# Altium PCB Controller.PcbDoc
Units mm, origin at the board's own origin, x right, y up, seen from the top; angles counter-clockwise.
Board outline 150 x 70 mm, 2 copper layers (Top Layer, Bottom Layer), stack 1.54 mm thick; 72 components, 64 nets, 378 pads, 299 vias.
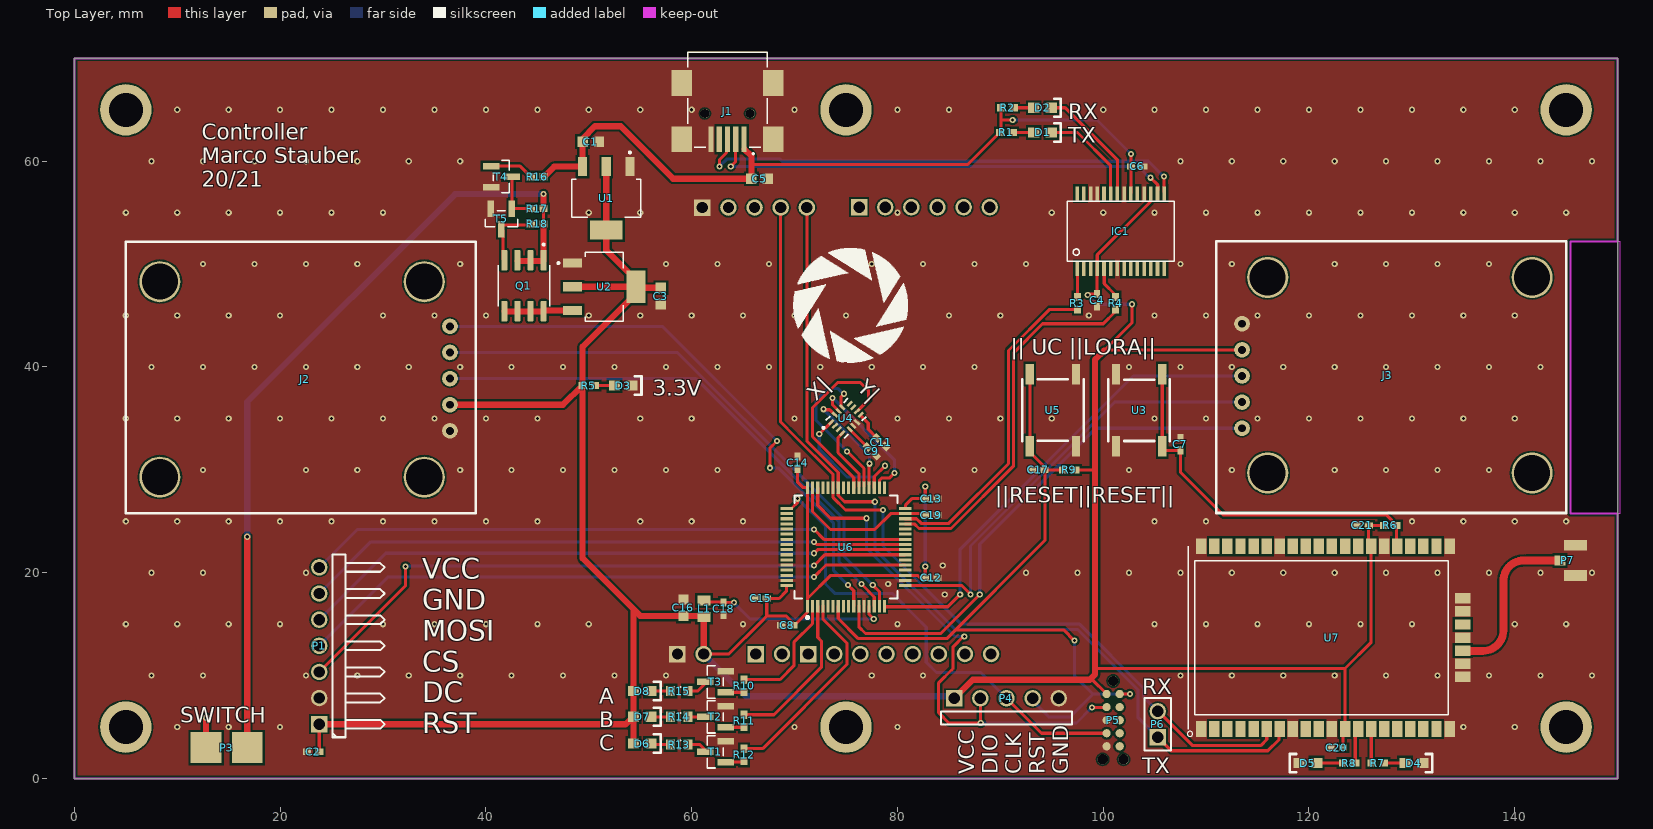
[diagram p0: Top Layer view]
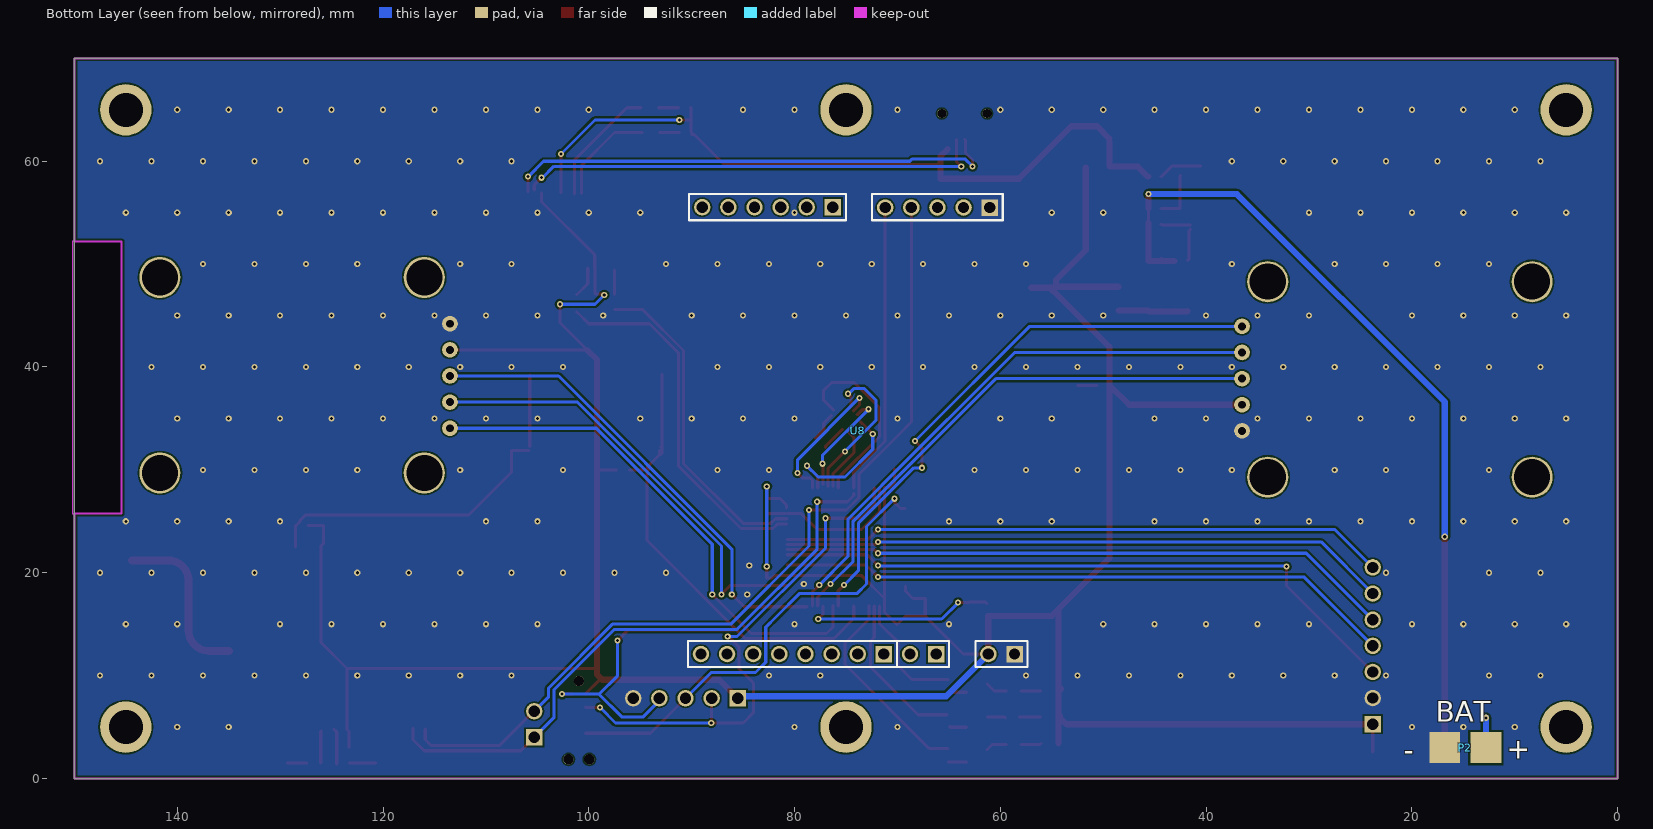
[diagram p1: Bottom Layer view, seen from below]
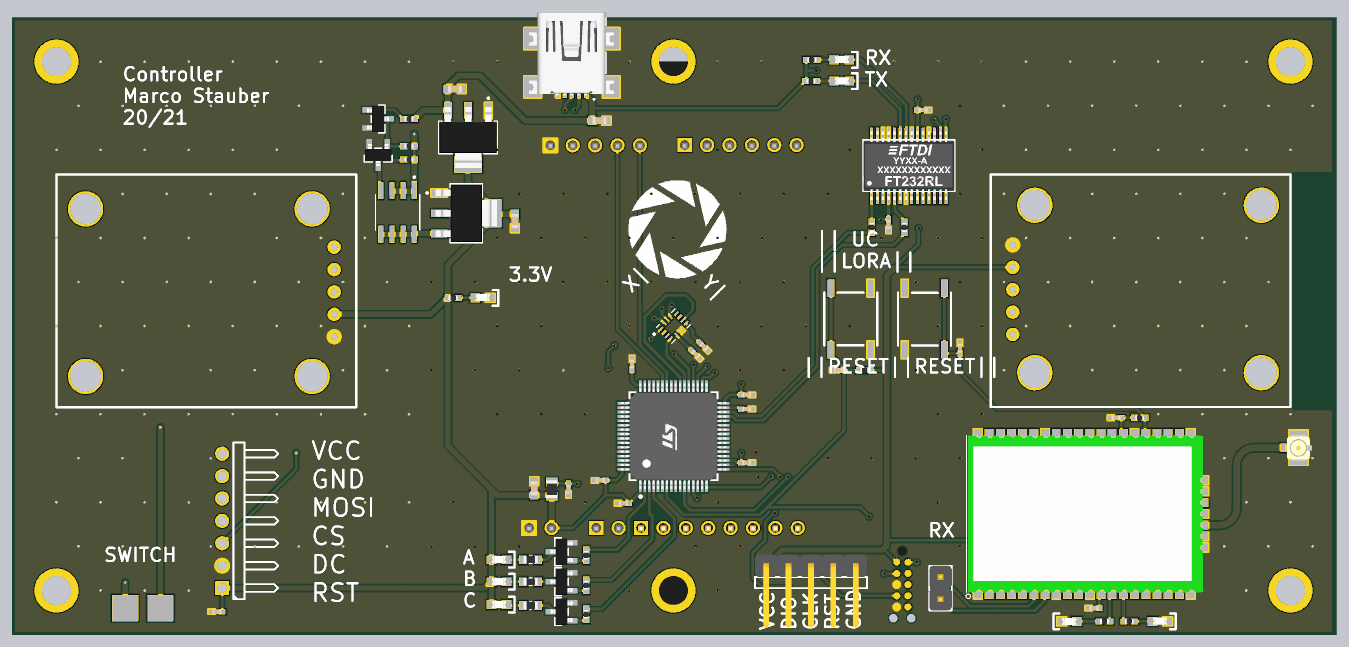
[diagram p2: 3D render of the assembled board from above, using the file's embedded part models]

## Layer stack, top to bottom
Top Solder: solder mask 0.03, Solder Resist, Dk 3.5
Top Layer: signal copper 0.035
Dielectric 1: core 1.47, FR-4, Dk 4.2
Bottom Layer: signal copper 0.035
Bottom Solder: solder mask 0.03, Solder Resist, Dk 3.5

## Board outline
0,0 150,0 150,70 0,70
cut-out: 145.4,52.2 150.2,52.2 150.2,25.75 145.4,25.75

## Design rules (kind name [scope] priority, off if disabled: settings)
Clearance Clearance_Text_BOT [InComponent('XXXX_CON101') vs (OnBottomLayer AND IsText)] p1: gap=0.01 ignorepadtopadclearanceinfootprint=FALSE except(0: Arc-Hole Track-Hole SMDPad-Hole THPad-Hole Via-Hole Fill-Hole Poly-Hole Region-Hole Text-Hole)
Clearance Clearance_RF-Signal [InComponent('T200')] p2: gap=0.25 ignorepadtopadclearanceinfootprint=FALSE except(0: Arc-Hole Track-Hole SMDPad-Hole THPad-Hole Via-Hole Fill-Hole Poly-Hole Region-Hole Text-Hole)
Clearance [All] p3: gap=0.2 ignorepadtopadclearanceinfootprint=TRUE except(0: Arc-Hole Track-Hole SMDPad-Hole THPad-Hole Via-Hole Fill-Hole Poly-Hole Region-Hole Text-Hole; 0.15: THPad-Fill THPad-Poly THPad-Region Fill-Poly Poly-Poly)
ComponentClearance ComponentClearance_U203_TOP [InComponent('U203') vs (InComponent('U200') OR InComponent('C201') OR InComponent('L200') OR InComponent('C200'))] p1: gap=-0.1 collisioncheckmode=3 verticalgap=2540 showdistances=FALSE
ComponentClearance "Solderjumper unter Reed-Switch" [InComponent('xxx_JP300')] p2: gap=-1 collisioncheckmode=3 verticalgap=1 showdistances=FALSE
ComponentClearance ComponentClearance_TP [(HasFootprint('TESTPAD_RND_28') OR HasFootprint('TESTPAD_RND_40'))] p3: gap=-20 collisioncheckmode=3 verticalgap=2 showdistances=FALSE
ComponentClearance ComponentClearance_MEC1&2 [(InComponent('xxx_MEC1') OR InComponent('xxx_MEC2'))] p4: gap=-2 collisioncheckmode=3 verticalgap=-20 showdistances=FALSE
ComponentClearance [All] p5: gap=0.2 collisioncheckmode=3 verticalgap=0.3 showdistances=FALSE
HoleSize [All] p1: absolutevalues=TRUE maxlimit=22 minlimit=0.3 maxpercent=80.000 minpercent=20.000
HoleToHoleClearance [All] p1: gap=0.25 allowstackedmicrovias=TRUE
MaxMinImpedance "Schematic Impedance Constraint" [InNet('NetP7_1')] p1: minimum=50.00 maximum=50.00
MinimumAnnularRing [All] p1: minimumring=0.13
MinimumSolderMaskSliver MinimumSolderMaskSliver_CloseComp [InComponent('X100') OR  InComponent('LED203') OR InComponent('LED301') OR InComponent('U206') OR InComponent('U200') OR InComponent('S200') OR InComponent('R301') OR InComponent('LED300') OR InComponent('U302') OR InComponent('U301') OR InComponent('R302') OR InComponent('R303') vs InComponent('X100') OR  InComponent('LED203') OR InComponent('LED301') OR InComponent('U206') OR InComponent('U200') OR InComponent('S200') OR InComponent('R301') OR InComponent('LED300') OR InComponent('U302') OR InComponent('U301') OR InComponent('R302') OR InComponent('R303')] p1: minsoldermaskwidth=0.01
MinimumSolderMaskSliver MinimumSolderMaskSliver_CloseComp_1 [InComponent('C210') OR InComponent('C213') OR InComponent('C214') OR InComponent('Y200') OR InComponent('U206') OR InComponent('TP200') OR InComponent('TP201') OR InComponent('Y201') OR InComponent('U300') vs InComponent('C210') OR InComponent('C213') OR InComponent('C214') OR InComponent('Y200') OR InComponent('U206') OR InComponent('TP200') OR InComponent('TP201') OR InComponent('Y201') OR InComponent('U300')] p2: minsoldermaskwidth=0.01
MinimumSolderMaskSliver MinimumSolderMaskSliver_CloseComp_2 [InComponent('C204') OR InComponent('C207') OR InComponent('C209') OR InComponent('C212') OR InComponent('R203') OR InComponent('R204') OR InComponent('U203') OR InComponent('U204') OR InComponent('U205') OR InComponent('IC200') OR InComponent('Y201') OR InComponent('Y200') OR InComponent('TP201') vs InComponent('C204') OR InComponent('C207') OR InComponent('C209') OR InComponent('C212') OR InComponent('R203') OR InComponent('R204') OR InComponent('U203') OR InComponent('U204') OR InComponent('U205') OR InComponent('IC200') OR InComponent('Y201') OR InComponent('Y200') OR InComponent('TP201')] p3: minsoldermaskwidth=0.01
MinimumSolderMaskSliver MinimumSolderMaskSliver_TextComp [InComponent('CON200') OR InComponent('X100') OR InComponent('S200') OR InComponent('U301') OR IsText vs InComponent('CON200') OR InComponent('X100') OR InComponent('S200') OR InComponent('U301') OR IsText] p4: minsoldermaskwidth=0.01
MinimumSolderMaskSliver [All] p5: minsoldermaskwidth=0.1
PasteMaskExpansion [All] p1: expansion=-0.05
PolygonConnect PolygonConnect_Direct [All] p1: connectstyle=Direct reliefconductorwidth=0.254 reliefentries=4 polygonreliefangle="90 Angle" airgapwidth=0.254
PolygonConnect PolygonConnect_Connector [(InComponent('X100') or InComponent('X111') or InComponent('X112') or InComponent('X101') or InComponent('X106')or InComponent('X107') or InComponent('X104') or InComponent('X105')) AND InNet('GND')] p2 off: connectstyle=Direct reliefconductorwidth=0.254 reliefentries=4 polygonreliefangle="90 Angle" airgapwidth=0.254
PolygonConnect PolygonConnect_Via [IsVia] p3 off: connectstyle=Direct reliefconductorwidth=0.254 reliefentries=4 polygonreliefangle="90 Angle" airgapwidth=0.254
PolygonConnect [All] p4 off: connectstyle=Relief reliefconductorwidth=0.254 reliefentries=4 polygonreliefangle="90 Angle" airgapwidth=0.254
RoomDefinition Controller [InComponentClass('Controller')] p1 off: confinementstyle=ConfineIn formatcopy=TRUE lockcomponents=FALSE outline -10.3,-4 154,-4 154,73 -10.3,73
RoutingVias [All] p1: holewidth=0.3 width=0.5 viastyle="Through Hole" minholewidth=0.3 minwidth=0.6 maxholewidth=0.8 maxwidth=10
SilkToSilkClearance [All] p1 off: silktosilkclearance=0.254
SilkToSolderMaskClearance SilkscreenOverComponentPads [IsPad] p1 off: minsilkscreentomaskgap=0.254 clearancetoexposedcopper=TRUE
SolderMaskExpansion [All] p1: expansion=0.102
UnRoutedNet [All] p1: checkbadconnections=TRUE
Width [All] p1: maxlimit=10 minlimit=0.127 preferedwidth=0.254
22 further rules are at their usual default settings.

## Components (designator, comment, footprint, x,y, rotation, side; value= is the part's Value field where it differs from the comment)
C1 "1uF" "CAP_0603i_1608m -N" 50.2,61.9 r180 top
C2 "100nF" "CAP_0402i_1005m -N" 23.2,2.6 r180 top
C3 "1uF" "CAP_0603i_1608m -N" 57,46.9 r90 top
C4 "100nF" "CAP_0402i_1005m -N" 99.4,46.5 r90 top
C5 "10 uF" "CAP_0603i_1608m -N" 66.6,58.3 r180 top
C6 "100nF" "CAP_0402i_1005m -N" 103.3,59.5 r180 top
C7 "100nF" "CAP_0402i_1005m -N" 107.5,32.5 r270 top
C8 "100nF" "CAP_0402i_1005m -N" 69.3,14.9 r0 top
C9 "100nF" "CAP_0402i_1005m -N" 77.5,31.8 r135 top
C11 "100nF" "CAP_0402i_1005m -N" 78.424,32.676 r135 top
C12 "100nF" "CAP_0402i_1005m -N" 83.3,19.5 r180 top
C13 "100nF" "CAP_0402i_1005m -N" 83.3,27.2 r180 top
C14 "100nF" "CAP_0402i_1005m -N" 70.3,30.7 r270 top
C15 "100nF" "CAP_0402i_1005m -N" 66.7,17.5 r0 top
C16 "10 uF" "CAP_0603i_1608m -N" 59.2,16.6 r270 top
C17 "100nF" "CAP_0402i_1005m -N" 93.7,30 r0 top
C18 "100nF" "CAP_0402i_1005m -N" 63.1,16.5 r90 top
C19 "100nF" "CAP_0402i_1005m -N" 83.3,25.6 r0 top
C20 "100nF" "CAP_0402i_1005m -N" 122.7,3 r0 top
C21 "100nF" "CAP_0402i_1005m -N" 125.2,24.6 r0 top
D1 "Grün" *0603 94.1,62.8 r180 top
D2 "Orange" *0603 94.1,65.2 r180 top
D3 "Grün" *0603 53.35,38.2 r180 top
D4 "Orange" *0603 130.2,1.5 r180 top
D5 "Grün" *0603 119.9,1.5 r0 top
D6 "Orange" *0603 55.2,3.4 r180 top
D7 "Grün" *0603 55.2,6 r180 top
D8 "Grün" *0603 55.2,8.5 r180 top
IC1 "FT232RL-TUBE" *SSOP28-LD 101.7,53.2 r0 top
J1 "UJ2-MABH-4-SMT" *CUI_UJ2-MABH-4-SMT_UJ2-MABH-4-SMT(PRIMARY) 65.08,62.13 r180 top
J2 "Joystick" Joystick 22,39 r0 top
J3 "Joystick" Joystick 128,39 r180 top
L1 "Inductor" IND_0805I_2013-L 61.2,16.5 r270 top
P1 "Header 7H" HDR1X7H 23.8,5.28 r90 top
P2 "Batterie" MotConnector 14.8,3 r0 bottom
P3 "ON-OFF" MotConnector 14.8,3 r180 top
P4 "Header 5H" HDR1X5H 85.52,7.8 r0 top
P5 "Tag-Connect TC2050-IDC-NL-No pin assigned" "TAG-CONNECT TC2050-IDC-NL 10-Pin" 100.33,8.21 r270 top
P6 "Header 2" HDR1X2 105.3,4 r90 top
P7 "Hirose U.FL-R-SMT-1(10)" "Hirsoe U.FL-R-SMT-1(10)" 145.9,21.2 r270 top
Q1 "AO4407A" SOIC127P600X175-8N 43.7,47.9 r270 top
R1 "1k" "RES_0402i_1005m -N" 90.6,62.8 r0 top
R2 "1k" "RES_0402i_1005m -N" 90.7,65.2 r0 top
R3 "1K" "RES_0402i_1005m -N" 97.5,46.2 r270 top
R4 "1K" "RES_0402i_1005m -N" 101.2,46.2 r270 top
R5 "10K" "RES_0402i_1005m -N" 50,38.2 r180 top
R6 "10k" "RES_0402i_1005m -N" 127.9,24.6 r0 top
R7 "330" "RES_0402i_1005m -N" 126.7,1.5 r180 top
R8 "330" "RES_0402i_1005m -N" 123.9,1.5 r0 top
R9 "10k" "RES_0402i_1005m -N" 96.7,30 r180 top
R10 "10k" "RES_0402i_1005m -N" 65.1,9 r270 top
R11 "10k" "RES_0402i_1005m -N" 65.1,5.6 r270 top
R12 "10k" "RES_0402i_1005m -N" 65.1,2.3 r270 top
R13 "270" "RES_0603i_1608m -N" 58.8,3.3 r180 top
R14 "270" "RES_0603i_1608m -N" 58.8,6 r0 top
R15 "270" "RES_0603i_1608m -N" 58.8,8.5 r180 top
R16 "20K" "RES_0402i_1005m -N" 45,58.5 r0 top
R17 "20K" "RES_0402i_1005m -N" 45,55.4 r0 top
R18 "100K" "RES_0402i_1005m -N" 45,53.9 r0 top
T1 "Part Number: MMBT3904-7-F" SOT-23-M 62.3,2.6 r90 top value=Value
T2 "Part Number: MMBT3904-7-F" SOT-23-M 62.3,6 r90 top value=Value
T3 "Part Number: MMBT3904-7-F" SOT-23-M 62.3,9.4 r90 top value=Value
T4 "Part Number: MMBT3904-7-F" SOT-23-M 41.5,58.5 r270 top value=Value
T5 "Part Number: MMBT3904-7-F" SOT-23-M 41.5,54.4 r180 top value=Value
U1 "AZ1117EH-3.3TRG1" SOT230P700X180-4N 51.7,56.4 r270 top
U2 "AZ1117EH-3.3TRG1" SOT230P700X180-4N 51.5,47.8 r0 top
U3 "BUTTON" "RND 210-00206" 103.499,35.8 r90 top
U4 "BMG250" XDCR_BMG250 75,35 r45 top
U5 "BUTTON" "RND 210-00206" 95.1,35.8 r270 top
U6 "STM32F405RGT6TR" FP-LQFP64-5W-MFG 75,22.5 r90 top
U7 "RN2483-I/RM095" *MICROCHIP_RN2483-I/RM095 121.6,13.7 r90 top
U8 "LoRa Modul" "LoRA - w/o holes" 58.62,12.1 r90 bottom locked

## Footprints (in the part's own frame and the unit in brackets; to place one, negate y for a bottom-side part, rotate by r counter-clockwise, add the part's x,y. Pads: shape width x height; smd on the part's side, far side on the other; paste and mask are expansions set on the pad)
*0603 [mm]
  rect 1.1x1 smd: 1(-0.85,0) 2(0.85,0)
  silkscreen extent -1.78,-0.89 -1.14,0.89, body extent -0.8,-0.42 0.8,0.38, height 0.8
*CUI_UJ2-MABH-4-SMT_UJ2-MABH-4-SMT(PRIMARY) [mm]
  rect 0.5x2.5 smd: 1(0,0) 2(0.8,0) 3(1.6,0) 4(2.4,0) 5(3.2,0)
  round 0.9 hole 0.9 unplated: None(-0.6,-2.51) None(3.8,-2.51)
  rect 2x2.5 smd: SH1(-2.86,0) SH2(6.06,0) SH3(-2.86,-5.48) SH4(6.06,-5.48)
  silkscreen extent -2.26,-8.45 5.46,1.48, body extent -3.18,-8.42 6.48,0.96, height 3.93
*MICROCHIP_RN2483-I/RM095 [mil]
  rect 60x40 smd: 1(-350,475) 2(-350,425) 3(-350,375) 4(-350,325) 5(-350,275) 6(-350,225) 7(-350,175) 8(-350,125) 9(-350,75) 10(-350,25) 11(-350,-25) 12(-350,-75) 13(-350,-125) 14(-350,-175) 15(-350,-225) 16(-350,-275) 17(-350,-325) 18(-350,-375) 19(-350,-425) 20(-350,-475) 28(350,-475) 29(350,-425) 30(350,-375) 31(350,-325) 32(350,-275) 33(350,-225) 34(350,-175) 35(350,-125) 36(350,-75) 37(350,-25) 38(350,25) 39(350,75) 40(350,125) 41(350,175) 42(350,225) 43(350,275) 44(350,325) 45(350,375) 46(350,425) 47(350,475)
  rect 40x60 smd: 21(-150,-525) 22(-100,-525) 23(-50,-525) 24(0,-525) 25(50,-525) 26(100,-525) 27(150,-525)
  silkscreen extent -378,-470 350,528, body extent -351,-530 350,520, height 118
*SSOP28-LD [mm]
  rect 0.348x1.397 smd: 1(-4.225,-3.656) 2(-3.575,-3.656) 3(-2.925,-3.656) 4(-2.275,-3.656) 5(-1.625,-3.656) 6(-0.975,-3.656) 7(-0.325,-3.656) 8(0.325,-3.656) 9(0.975,-3.656) 10(1.625,-3.656) 11(2.275,-3.656) 12(2.925,-3.656) 13(3.575,-3.656) 14(4.225,-3.656) 15(4.225,3.656) 16(3.575,3.656) 17(2.925,3.656) 18(2.275,3.656) 19(1.625,3.656) 20(0.975,3.656) 21(0.325,3.656) 22(-0.325,3.656) 23(-0.975,3.656) 24(-1.625,3.656) 25(-2.275,3.656) 26(-2.925,3.656) 27(-3.575,3.656) 28(-4.225,3.656)
  silkscreen extent -5.2,-2.93 5.2,2.93, body extent -5.17,-3.88 5.16,3.88, height 2.16
"CAP_0402i_1005m -N" [mm] "Chip Capacitor, Body 1.0x0.5mm, IPC Medium Density"
  rect 0.8x0.6 smd: 1(-0.6,0) 2(0.6,0)
  body extent -0.5,-0.25 0.5,0.25, height 0.5
"CAP_0603i_1608m -N" [mm] "Chip Capacitor, Body 1.6x0.8mm, IPC Medium Density"
  rect 1x1 smd: 1(-0.8,0) 2(0.8,0)
  body extent -0.8,-0.4 0.8,0.4, height 0.8
FP-LQFP64-5W-MFG [mm]
  rect 1.2x0.3 smd paste+0 mask+0: 1(-5.75,3.75) 2(-5.75,3.25) 3(-5.75,2.75) 4(-5.75,2.25) 5(-5.75,1.75) 6(-5.75,1.25) 7(-5.75,0.75) 8(-5.75,0.25) 9(-5.75,-0.25) 10(-5.75,-0.75) 11(-5.75,-1.25) 12(-5.75,-1.75) 13(-5.75,-2.25) 14(-5.75,-2.75) 15(-5.75,-3.25) 16(-5.75,-3.75) 33(5.75,-3.75) 34(5.75,-3.25) 35(5.75,-2.75) 36(5.75,-2.25) 37(5.75,-1.75) 38(5.75,-1.25) 39(5.75,-0.75) 40(5.75,-0.25) 41(5.75,0.25) 42(5.75,0.75) 43(5.75,1.25) 44(5.75,1.75) 45(5.75,2.25) 46(5.75,2.75) 47(5.75,3.25) 48(5.75,3.75)
  rect 0.3x1.2 smd paste+0 mask+0: 17(-3.75,-5.75) 18(-3.25,-5.75) 19(-2.75,-5.75) 20(-2.25,-5.75) 21(-1.75,-5.75) 22(-1.25,-5.75) 23(-0.75,-5.75) 24(-0.25,-5.75) 25(0.25,-5.75) 26(0.75,-5.75) 27(1.25,-5.75) 28(1.75,-5.75) 29(2.25,-5.75) 30(2.75,-5.75) 31(3.25,-5.75) 32(3.75,-5.75) 49(3.75,5.75) 50(3.25,5.75) 51(2.75,5.75) 52(2.25,5.75) 53(1.75,5.75) 54(1.25,5.75) 55(0.75,5.75) 56(0.25,5.75) 57(-0.25,5.75) 58(-0.75,5.75) 59(-1.25,5.75) 60(-1.75,5.75) 61(-2.25,5.75) 62(-2.75,5.75) 63(-3.25,5.75) 64(-3.75,5.75)
  silkscreen extent -6.97,-5 5,5, body extent -6.45,-6.45 6.45,6.45, height 0.25
HDR1X2 [mm] "Connector; Header; 2 Position"
  rect 1.6x1.6 hole 1.1: 1(0,0)
  round 1.6 hole 1.1: 2(2.54,0)
  silkscreen extent -1.27,-1.27 3.81,1.27, body extent -1.27,-1.27 3.81,1.27, height 10.3
HDR1X5H [mm] "Connector; Header; 5 Position; Right Angle"
  rect 1.6x1.6 hole 1.1: 1(0,0)
  round 1.6 hole 1.1: 2(2.54,0) 3(5.08,0) 4(7.62,0) 5(10.16,0)
  silkscreen extent -1.27,-2.54 11.43,-1.27, body extent -1.27,-7 11.43,1.27, height 4.52
HDR1X7H [mm] "Connector; Header; 7 Position; Right Angle"
  rect 1.6x1.6 hole 1.1: 1(0,0)
  round 1.6 hole 1.1: 2(2.54,0) 3(5.08,0) 4(7.62,0) 5(10.16,0) 6(12.7,0) 7(15.24,0)
  silkscreen extent -1.27,-6.35 16.51,-1.27
"Hirsoe U.FL-R-SMT-1(10)" [mm] "SMD U.FL connector"
  rect 1x1.05 smd: 1(0,-1.5)
  rect 1.05x2.2 smd: 2(-1.475,0) 2(1.475,0)
  body extent -1.48,-1.55 1.53,1.55, height 1.25
IND_0805I_2013-L [mm] "Chip Resistor, Body 2.0x1.3mm, IPC High Density"
  rect 1x1.3 smd: 1(-0.8,0) 2(0.8,0)
  body extent -1,-0.62 1,0.63, height 0.5
Joystick [mil]
  round 60 hole 30: 1(571.16,-205.04) 2(571.16,-105.04) 3(571.16,-5.04) 4(571.16,94.96) 5(571.16,194.96)
  round 157.48 hole 137.8 unplated: ""(-539.08,-382.2) ""(-539.08,365.83) ""(472.73,-382.2) ""(472.73,365.83)
  silkscreen extent -669,-520 670,519
"LoRA - w/o holes" [mm]
  round 1.6 hole 1.1: 1(0,30.48) 2(0,27.94) 3(0,25.4) 4(0,22.86) 5(0,20.32) 6(0,17.78) 7(0,15.24) 9(0,10.16) 11(43.434,22.733) 12(43.434,25.273) 13(43.434,27.813) 14(43.434,30.353) 16(43.434,20.193) 18(43.4,4.953) 19(43.4,7.493) 20(43.4,10.033) 21(43.4,12.573) 22(0,2.54)
  rect 1.6x1.6 hole 1.1: 8(0,12.7) 10(0,7.62) 15(43.434,17.653) 17(0,0) 23(43.4,2.413)
  silkscreen extent -1.27,-1.27 44.7,31.75, body extent -8.7,-11.68 52.9,53.21, height 10.3
MotConnector [mm]
  rect 3x3 smd: 1(-2,0) 2(2,0)
"RES_0402i_1005m -N" [mm] "Chip Resistor, Body 1.1x0.5mm, IPC Medium Density"
  rect 0.8x0.7 smd: 1(-0.6,0) 2(0.6,0)
  body extent -0.5,-0.25 0.5,0.25, height 0.3
"RES_0603i_1608m -N" [mm] "Chip Resistor, Body 1.6x0.8mm, IPC Medium Density"
  rect 0.9x1 smd: 1(-0.85,0) 2(0.85,0)
  silkscreen extent -0.13,-0.38 0.13,0.38, body extent -0.8,-0.4 0.8,0.4, height 0.4
"RND 210-00206" [mm]
  rect 2x0.8 smd: 1(-3.505,2.265) 1(3.495,2.265) 2(-3.505,-2.235) 2(3.495,-2.235)
  silkscreen extent -3.01,-2.99 2.99,3.01
SOIC127P600X175-8N [mm]
  rrect25% 1.97x0.6 smd: 1(-2.475,1.905) 2(-2.475,0.635) 3(-2.475,-0.635) 4(-2.475,-1.905) 5(2.475,-1.905) 6(2.475,-0.635) 7(2.475,0.635) 8(2.475,1.905)
  silkscreen extent -4.1,-2.52 2,2.52
SOT230P700X180-4N [mm]
  rect 1.86x0.9 smd: 1(-3.075,2.3) 2(-3.075,0) 3(-3.075,-2.3)
  rect 1.86x3.19 smd: 4(3.075,0)
  silkscreen extent -4.55,-3.35 1.85,3.35, body extent -3.48,-3.25 3.48,3.25, height 1.7
SOT-23-M [mm]
  rect 0.61x1.61 smd paste+0 mask+0: 1(-1.025,-0.995) 2(1.025,-0.995) 3(0,0.995)
  silkscreen extent -1.58,-0.78 1.58,0.78, body extent -1.5,-1.25 1.5,1.25, height 1.06
"TAG-CONNECT TC2050-IDC-NL 10-Pin" [mm] "Tag-Connect TC2050-IDC-NL 10-Pin No-Legs Cable with Ribbon connector."
  round 1 hole 1 unplated paste-2 mask+0: 0(-1.27,0.635) 0(6.35,-0.38) 0(6.35,1.65)
  round 0.8 smd paste-1 mask+0.102: 1(0,0) 2(1.27,0) 3(2.54,0) 4(3.81,0) 5(5.08,0) 6(5.08,1.27) 7(3.81,1.27) 8(2.54,1.27) 9(1.27,1.27) 10(0,1.27)
XDCR_BMG250 [mm]
  rect 0.675x0.25 smd: 1(-1.263,0.75) 2(-1.262,0.25) 3(-1.262,-0.25) 4(-1.263,-0.75) 8(1.263,-0.75) 9(1.262,-0.25) 10(1.262,0.25) 11(1.263,0.75)
  rect 0.25x0.675 smd: 5(-0.5,-1.012) 6(0,-1.012) 7(0.5,-1.012) 12(0.5,1.012) 13(0,1.012) 14(-0.5,1.012)
  silkscreen extent -2.3,-1.25 1.5,1.25

## Part data
C1 C2 C3 C4 C5 C6 C7 C8 C9 C11 C12 C13 C14 C15 C16 C17 C18 C19 C20 C21: library part Cap, "capacitor"
D1 D3 D5 D6 D7 D8: library part LTST-C191KGKT, "LED; SMD; 0603; grün; 35mcd; 1.6x0.8x0.55mm; 130Â°; 2Ã·2.V; 20mA", Package="0603 Lite-On", Digi-Key_Part_Number=160-1446-1-ND, Digi-Key_Purchase_URL=https://www.digikey.ch/product-detail/de/lite-on-inc/LTST-C191KGKT/160-1446-1-ND/386834, MF="Lite-On Inc.", MP=LTST-C191KGKT, SnapEDA_Link=https://www.snapeda.com/parts/LTST-C191KFKT/Lite-On%20Inc./view-part/?ref=snap
D2 D4: library part LTST-C191KFKT, "LED; SMD; 0603; orange; 45-90mcd; 1.6x0.8x0.55mm; 130°; 2÷2.4V; 20mA", Package="0603 Lite-On", Digi-Key_Part_Number=160-1445-1-ND, Digi-Key_Purchase_URL=https://www.digikey.com/product-detail/en/lite-on-inc/LTST-C191KFKT/160-1445-1-ND/386832?utm_source=snapeda&utm_medium=aggregator&utm_campaign=symbol, MF="Lite-On Inc.", MP=LTST-C191KFKT, SnapEDA_Link=https://www.snapeda.com/parts/LTST-C191KFKT/Lite-On%20Inc./view-part/?ref=snap
IC1: "USB-to-UART 1-CH 256byte FIFO 5V 28-Pin SSOP Tube", Package="SSOP-28 FTDI", Digi-Key_Part_Number=768-1306-ND, Digi-Key_Purchase_URL=https://www.digikey.com/product-detail/en/ftdi-future-technology-devices-international-ltd/FT232RL-TUBE/768-1306-ND/4006920?utm_source=snapeda&utm_medium=aggregator&utm_campaign=symbol, MF=FTDI,, MP=FT232RL-TUBE, SnapEDA_Link=https://www.snapeda.com/parts/FT232RL-TUBE/FTDI%2C%20Future%20Technology%20Devices%20International%20Ltd/view-part/?ref=snap
J1: "Mini AB, USB 2.0, 1 A, Right Angle, Surface Mount _SMT_, USB Receptacle", Package=None, CUI_purchase_URL=https://www.cui.com/product/interconnect/connectors/usb-connectors/uj2-mabh-smt-series?utm_source=snapeda.com&utm_medium=referral&utm_campaign=snapedaBOM, Digi-Key_Part_Number=102-5890-1-ND, Digi-Key_Purchase_URL=https://www.digikey.com/product-detail/en/cui-inc/UJ2-MABH-4-SMT-TR/102-5890-1-ND/9838992?utm_source=snapeda&utm_medium=aggregator&utm_campaign=symbol, MF="CUI Inc.", MP=UJ2-MABH-4-SMT, SnapEDA_Link=https://www.snapeda.com/parts/UJ2-MABH-4-SMT/CUI%20Inc./view-part/?ref=snap
P1: "Header, 7-Pin, Right Angle"
P2 P3: library part "Pad, double", "Single Pad or Testpoint"
P4: "Header, 5-Pin, Right Angle"
P5: "10-pin pogo pin programing port"
P6: "Header, 2-Pin"
P7: "U.FL"
Q1: "Mosfet p-Ch -30v -12a 8-Soic - Ao4407a", Package=None, Availability=Unavailable, MF="{'manufacturer': u'Alpha '}", MP=AO4407A, Price=None
R1 R2 R3 R4 R5 R6 R7 R8 R9 R10 R11 R12 R13 R14 R15 R16 R17 R18: library part Res, "Resistor"
T1 T2 T3 T4 T5: library part MMBT3904-7-F, "Transistor SMD", Built_By=EMA_UL_Team, Copyright="Copyright (C) 2018 Accelerated Designs. All rights reserved", Manufacturer_Part_Number=MMBT3904-7-F, RefDes=RefDes, Type=DEV, Vendor="Diodes Inc"
U1 U2: "Linear Voltage Regulator IC 1 Output 1A SOT-223", Package="SOT-223 Diodes Inc.", Availability=Unavailable, MF="Diodes Inc.", MP=AZ1117EH-3.3TRG1, Price=None, SnapEDA_Link=https://www.snapeda.com/parts/AZ1117EH-3.3TRG1/Diodes%20Inc./view-part/482930/?ref=snap
U4: "BMG250 Series 3.6 V 3200 Hz 850 µA Low Noise Low Power Triaxial Gyroscope-LGA-14", Package=None, Availability=Unavailable, MF="{'manufacturer': u'Bosch'}", MP=BMG250, Price=None
U6: library part CMP-0243-00156-2, "IC MCU 32BIT 1MB FLASH 64LQFP", Case/Package=LQFP, Frequency=168MHz, Max Operating Temperature=85°C, Max Power Dissipation=435mW, Max Supply Voltage=3.6V, Min Operating Temperature=-40°C, Min Supply Voltage=1.8V, Package Quantity=1000, Contact Plating=Tin, Core Architecture=ARM, Data Bus Width=32b, Height=1.45mm, Interface=I2C, Lead Free="Lead Free", Length=10mm, Max Frequency=168MHz, Memory Size=1024KB, Memory Type=FLASH, Mount="Surface Mount", Number Of Adc Channels=16, Number Of I2C Channels=3, Number Of I/Os=51, Number of Pins=64, Number of Programmable I/O=51, Number Of Spi Channels=3, Number Of Timers/Counters=14, Number Of Uart Channels=2, Number Of Usb Channels=2, Oscillator Type=Internal, Packaging="Tape and Reel", Peripherals="Brown-out Detect/Reset", Radiation Hardening=No, Ram Size=196KB, Watchdog Timer=Yes, Width=10mm
U7: "Sub-GHz Dual Band Long Range Transceiver LoRa Module", Package=None, Availability=Unavailable, MF=Microchip, MP=RN2483-I/RM095, Price=None, SnapEDA_Link=https://www.snapeda.com/parts/RN2483-I/RM095/Microchip/view-part/?ref=snap

## Free pads (board coordinates)
  round 5 hole 3.3 unplated: 5(5,5) 5(5,65) 5(75,5) 5(75,65) 5(145,5) 5(145,65)

## Via types
v1: diameter 0.6, hole 0.3, Top Layer to Bottom Layer, tented both sides, 299 vias

## Nets (pads, with @x,y where several pads share a name; then routed paths per layer and width w, separated by ;. In a path a pad name is that pad's centre, name@x,y a point inside that pad or via, vN(x,y) a via of type N, cw(c..) or ccw(c..) an arc to the next point about the centre after c; other vN are vias at no path point)
3V3: C2.1 C3.2 C4.2 C8.2 C12.2 C13.2 C14.2 C15.2 C16.2 C20.2 C21.2 D6.2 D7.2 D8.2 IC1.4 IC1.17 J2.2 J3.2 L1.2 P1.1 P4.1 P5.1 R5.2 R6.1 R9.1 U1.2 U1.4 U2.2 U2.4 U6.1 U6.19 U6.32 U6.48 U6.64 U7.12 U7.34 U8.22 | length 345.5
  Top Layer w0.3: C2.1 P1.1@23.8,5.1 ; U8.22 61.18,12.1 63.6,12.1 66.7,15.2 67.3,15.8 ; C15.2@67.3,17.4 67.3,15.8 ; C15.2 68.5,17.5 69.2,18.2 U6.64@69.2,18.7 ; C8.2@69.9,15.1 69.2,15.8 67.3,15.8 ; C8.2@70.05,14.95 71.25,16.15 71.25,17.495 ; C14.2 70.3,28.8 70.8,28.3 71.25,28.3 71.25,28.091 71.25,17.495 ; U6.19@80.8,19.75 81.95,19.75 82.2,19.5 C12.2 v1(82.7,20.6) ; U6.32@80.8,26.3 80.8,26.6 81.4,27.2 C13.2 v1(82.7,28.4) ; U6.19@80.9,19.75 80.591,19.75 73.505,19.75 71.25,17.495 ; R9.1 99.2,30 ; v1(98.5,47) 98.55,47 98.65,47.1 C4.2@99.3,47.1 ; 98.7,9.6 98.94,9.6 P5.1 ; 99.2,10.7 123.5,10.7 ; C4.2 IC1.4@99.4,49.4 ; IC1.4 99.425,50.897 104.6,56.072 IC1.17@104.6,56.9 ; 100.1,41.6 100.168,41.668 ; v1(102.8,46.1) 102.8,44.3 100.168,41.668 ; J3.2 100.168,41.668 ; C20.2 U7.12@123.3,4.6 ; U7.12@123.5,4.7 123.5,10.7 ; C21.2 R6.1 ; C21.2@125.9,24.6 125.8,24.5 125.8,22.835 U7.34 126.045,13.245 123.5,10.7
  Top Layer w0.6: P1.1 53.58,5.28 D7.2@54.3,6 ; J2.2@36.5,36.4 36.568,36.332 47.482,36.332 49.35,38.2 R5.2 ; U2.2@48.5,47.8 U2.4 U2.4@54.675,47.7 ; U1.2@51.7,59.4 U1.4 51.7,51.34 54.6,48.44 U2.4@54.6,47.8 ; D8.2@54.1,8.75 54.1,8.7 D8.2@54.3,8.5 ; D7.2@54.2,6.1 D7.2@54.3,6 ; D6.2 54.35,5.95 54.325,5.975 D7.2@54.3,6 ; D7.2 54.35,8.45 D8.2@54.3,8.5 ; U2.4@54.9,47.4 54.84,47.4 49.4,41.96 R5.2 ; U2.4@54.9,47.7 C3.2 ; C16.2@59.6,15.8 C16.2 55,15.8 54.35,16.45 ; 59.8,15.8 61.2,15.8 61.18,15.78 U8.22@61.18,12.1 ; P4.1 87.32,9.6 98.7,9.6 99.2,10.1 99.2,10.7 99.2,30 ; 99.2,29.9 99.2,30 ; 100.1,41.6 99.2,40.7 99.2,30 ; R5.2 49.4,21.4 54.35,16.45 ; D8.2@54.3,8.5 D8.2 54.35,16.45
  Bottom Layer w0.3: v1(82.7,20.6) v1(82.7,28.4) ; v1(98.5,47) 99.4,46.1 v1(102.8,46.1)
  Bottom Layer w0.6: U8.22 65.26,8 85.4,8 P4.1@85.5,7.9
5V: C1.2 C5.2 C6.2 IC1.20 J1.1 R1.1 R2.1 R16.2 U1.3 | length 74.4
  Top Layer w0.3: 65.8,59.7 86.85,59.7 89.75,62.6 R1.1@90,62.6 ; R1.1 90.05,62.85 90.05,65.15 R2.1 ; 90.1,64 v1(91.2,64) ; IC1.20@102.7,56.9 102.7,58.7 C6.2 v1(102.7,60.7)
  Top Layer w0.6: R16.2 45.65,58.5 46.625,59.475 U1.3 C1.2 ; C1.2@49.4,62.2 50.6,63.4 53.1,63.4 58.2,58.3 C5.2 65.8,59.7 65.8,60.51 J1.1@65.13,61.18
  Bottom Layer w0.3: v1(91.2,64) 99.4,64 v1(102.7,60.7)
GND: C1.1 C2.2 C3.1 C4.1 C5.1 C6.1 C7.1 C8.1 C9.1 C11.1 C12.1 C13.1 C14.1 C15.1 C16.1 C17.1 C18.1 C19.2 C20.1 C21.1 D3.1 D4.1 D5.1 IC1.7 IC1.18 IC1.21 IC1.25 IC1.26 J1.5 J1.SH1 J1.SH2 J1.SH3 J1.SH4 J2.1 J3.1 P1.2 P2.2 P4.5 P5.3 P5.5 P7.2 T1.2 T2.2 T3.2 T4.2 T5.2 U1.1 U2.1 U3.1 U4.6 U4.7 U5.1 U6.12 U6.18 U6.60 U6.63 U7.1 U7.8 U7.11 U7.20 U7.21 U7.22 U7.24 U7.26 U7.27 U7.28 U7.33 U7.41 U7.47 U8.17 U8.23
  other v1: 10,5 15,5 20,5 70,5 80,5 135,5 140,5 7.5,10 12.5,10 22.5,10 27.5,10 32.5,10 37.5,10 42.5,10 47.5,10 52.5,10 57.5,10 77.5,10 82.5,10 107.5,10 112.5,10 117.5,10 122.5,10 127.5,10 132.5,10 137.5,10 142.5,10 147.5,10 5,15 10,15 15,15 20,15 30,15 35,15 40,15 45,15 50,15 65,15 80,15 105,15 110,15 115,15 120,15 125,15 130,15 140,15 145,15 84.6,17.9 79.1,18.9 7.5,20 12.5,20 22.5,20 92.5,20 97.5,20 102.5,20 107.5,20 112.5,20 117.5,20 122.5,20 127.5,20 132.5,20 137.5,20 142.5,20 147.5,20 84.4,20.7 5,25 10,25 15,25 20,25 25,25 30,25 35,25 40,25 45,25 55,25 60,25 65,25 105,25 110,25 130,25 135,25 140,25 145,25 12.5,30 22.5,30 27.5,30 37.5,30 42.5,30 47.5,30 52.5,30 57.5,30 62.5,30 82.5,30 87.5,30 102.5,30 112.5,30 122.5,30 127.5,30 132.5,30 137.5,30 5,35 10,35 15,35 20,35 25,35 30,35 35,35 40,35 45,35 55,35 60,35 70,35 80,35 85,35 90,35 95,35 105,35 110,35 115,35 120,35 125,35 130,35 135,35 140,35 7.5,40 12.5,40 17.5,40 22.5,40 27.5,40 32.5,40 37.5,40 42.5,40 47.5,40 52.5,40 57.5,40 62.5,40 67.5,40 72.5,40 77.5,40 82.5,40 87.5,40 102.5,40 107.5,40 112.5,40 117.5,40 122.5,40 127.5,40 132.5,40 137.5,40 142.5,40 5,45 10,45 15,45 20,45 30,45 35,45 40,45 50,45 55,45 60,45 65,45 70,45 75,45 80,45 85,45 90,45 98.6,45 105,45 110,45 115,45 120,45 125,45 130,45 135,45 140,45 12.5,50 17.5,50 22.5,50 27.5,50 37.5,50 57.5,50 62.5,50 67.5,50 72.5,50 77.5,50 82.5,50 87.5,50 92.5,50 107.5,50 112.5,50 122.5,50 127.5,50 132.5,50 137.5,50 5,55 10,55 15,55 20,55 25,55 30,55 50,55 55,55 80,55 95,55 100,55 105,55 110,55 115,55 120,55 125,55 130,55 135,55 140,55 145,55 7.5,60 12.5,60 17.5,60 22.5,60 27.5,60 32.5,60 37.5,60 107.5,60 112.5,60 117.5,60 122.5,60 127.5,60 132.5,60 137.5,60 142.5,60 147.5,60 10,65 15,65 20,65 25,65 30,65 35,65 40,65 45,65 50,65 55,65 60,65 70,65 80,65 85,65 100,65 105,65 110,65 115,65 120,65 125,65 130,65 135,65 140,65
NetC7_2: C7.2 R6.2 U3.2 U7.32 | length 36
  Top Layer w0.3: U3.2@105.7,39.2 105.735,39.165 U3.2@105.735,32.295 ; U3.2@105.8,31.9 C7.2 107.5,29.8 111.7,25.6 127.545,25.6 128.05,25.095 128.05,25 128.45,24.6 R6.2 U7.32@128.5,22.5
NetC9_2: C9.2 U4.5 | length 2.4
  Top Layer w0.3: U4.5 75.366,33.931 77,32.296 C9.2@77,32.2
NetC11_2: C11.2 U4.8 | length 2.9
  Top Layer w0.3: U4.8@76.4,35.3 77.165,34.535 77.165,33.935 C11.2
NetC17_2: C17.2 P4.4 P5.10 R9.2 U5.2 U6.7 | length 75.1
  Top Layer w0.3: U6.7 74.25,15.55 76.2,13.6 84.8,13.6 94.35,23.15 94.35,29.95 C17.2 ; 85.7,14.45 96.15,14.45 v1(97.2,13.4) ; U5.2@92.865,31.705 U5.2@92.865,32.305 ; U5.2@92.865,39.305 92.865,32.335 U5.2@93,32.2 ; U5.2@92.9,31.6 U5.2@93,31.5 ; U5.2@93.1,31.9 93.1,31.5 94.3,30.3 94.3,30.1 94.2,30 C17.2 ; R9.2 C17.2 ; P5.10 102.59,8.21 v1(102.6,8.2)
  Bottom Layer w0.3: P4.4@93.2,7.6 93.2,7.5 94.7,6 96.8,6 99,8.2 ; v1(97.2,13.4) 97.2,10 99,8.2 ; v1(102.6,8.2) 99,8.2
NetC18_2: C18.2 L1.1 U6.13 | length 18.6
  Top Layer w0.3: L1.1@61.3,17 61.45,17.15 63.05,17.15 C18.2 v1(64.1,17.1) ; U6.13 77.25,15.95 v1(77.7,15.5)
  Bottom Layer w0.3: v1(64.1,17.1) 65.7,15.5 v1(77.7,15.5)
NetC19_1: C19.1 U6.31 U6.47 | length 14.5
  Top Layer w0.3: U6.47@71.75,28.2 71.75,25.95 73.5,24.2 77.8,24.2 79.35,25.75 U6.31 ; U6.31@80.9,25.75 82.55,25.75 C19.1
NetD1_1: D1.1 IC1.23 | length 10
  Top Layer w0.3: D1.1@94.8,62.8 D1.1 97.5,62.8 100.725,59.575 IC1.23
NetD1_2: D1.2 R1.2 | length 1.9
  Top Layer w0.3: R1.2 D1.2@93.1,62.8
NetD2_1: D2.1 IC1.22 | length 11.9
  Top Layer w0.3: D2.1 96.3,65.2 101.4,60.1 IC1.22@101.4,56.8
NetD2_2: D2.2 R2.2 | length 1.9
  Top Layer w0.3: R2.2 D2.2@93.2,65.2
NetD3_2: D3.2 R5.1 | length 1.9
  Top Layer w0.3: R5.1 D3.2
NetD4_2: D4.2 R7.1 | length 2
  Top Layer w0.3: R7.1@127.4,1.5 D4.2
NetD5_2: D5.2 R8.1 | length 2.6
  Top Layer w0.3: D5.2@120.7,1.5 D5.2 122,1.5 R8.1
NetD6_1: D6.1 R13.2 | length 2
  Top Layer w0.3: D6.1 56.15,3.3 R13.2@58,3.3
NetD7_1: D7.1 R14.1 | length 2.1
  Top Layer w0.3: D7.1@56.1,6 R14.1@58.2,6
NetD8_1: D8.1 R15.2 | length 2
  Top Layer w0.3: D8.1 R15.2@58,8.5
NetIC1_1: IC1.1 R3.1 | length 2.4
  Top Layer w0.3: R3.1@97.5,47.05 IC1.1@97.5,49.4
NetIC1_5: IC1.5 R4.1 | length 3
  Top Layer w0.3: IC1.5@100.1,49.6 100.1,48.1 101.15,47.05 R4.1@101.2,47.05
NetIC1_15: IC1.15 J1.3 | length 48.6
  Top Layer w0.3: v1(62.7,59.5) 62.7,60.155 63.38,60.835 63.38,62.03 J1.3 ; IC1.15@105.9,57 v1(105.9,58.5)
  Bottom Layer w0.3: v1(62.7,59.5) 63.4,60.2 68.6,60.2 68.8,60 104.4,60 v1(105.9,58.5)
NetIC1_16: IC1.16 J1.2 | length 45.6
  Top Layer w0.3: v1(63.8,59.5) 64.28,59.98 J1.2 ; v1(104.6,58.4) 105.3,57.7 IC1.16@105.3,57.2
  Bottom Layer w0.3: v1(63.8,59.5) 103.4,59.5 104.5,58.4 v1(104.6,58.4)
NetJ2_3: J2.3 U6.14 | length 53.3
  Top Layer w0.3: v1(76.5,18.9) 77.75,17.65 77.75,16.909 U6.14
  Bottom Layer w0.3: J2.3@36.4,38.9 36.428,38.872 J2.3 60.435,38.872 74.3,25.007 74.3,21.1 v1(76.5,18.9)
NetJ2_4: J2.4 U6.15 | length 54.8
  Top Layer w0.3: v1(77.6,18.8) 78.25,18.15 U6.15
  Bottom Layer w0.3: J2.4 58.602,41.412 71.514,28.5 ; 71.557,28.457 74.8,25.214 74.8,21.6 v1(77.6,18.8)
NetJ2_5: J2.5 U6.10 | length 56.6
  Top Layer w0.3: v1(67.6,30.2) 67.6,32.1 v1(68.3,32.8) ; v1(75.2,18.8) 75.75,18.25 U6.10
  Bottom Layer w0.3: J2.5@36.5,43.9 36.552,43.952 57.148,43.952 v1(68.3,32.8) ; v1(67.6,30.2) 68.4,30.2 73.8,24.8 73.8,20.2 v1(75.2,18.8)
NetJ3_3: J3.3 U6.16 | length 46.6
  Top Layer w0.3: U6.16@78.8,16.7 84.9,16.7 v1(86.1,17.9)
  Bottom Layer w0.3: v1(86.1,17.9) 86.1,22.3 102.928,39.128 J3.3
NetJ3_4: J3.4 U6.17 | length 43.5
  Top Layer w0.3: U6.17@80.8,18.75 86.269,18.75 87.1,17.919 v1(87.1,17.9)
  Bottom Layer w0.3: v1(87.1,17.9) 87.1,22.593 101.095,36.588 J3.4
NetJ3_5: J3.5 U6.11 | length 50.7
  Top Layer w0.3: U6.11@76.25,16.8 U6.11 76.25,14.75 76.9,14.1 84.219,14.1 88,17.881 v1(88,17.9)
  Bottom Layer w0.3: v1(88,17.9) 88,22.786 99.262,34.048 J3.5
NetP1_3: P1.3 U6.23 | length 62.7
  Top Layer w0.3: P1.3 32.2,18.76 v1(32.2,20.6) ; v1(71.9,20.7) 72.95,21.75 U6.23
  Bottom Layer w0.3: v1(32.2,20.6) 32.25,20.65 71.85,20.65 v1(71.9,20.7)
NetP1_4: P1.4 U6.21 | length 60.2
  Top Layer w0.3: v1(71.9,19.6) 73.05,20.75 U6.21
  Bottom Layer w0.3: P1.4 30.5,19.6 v1(71.9,19.6)
NetP1_5: P1.5 U6.24 | length 59.8
  Top Layer w0.3: v1(71.9,21.9) 72.25,22.25 U6.24
  Bottom Layer w0.3: P1.5@23.8,15.4 P1.5 30.26,21.9 v1(71.9,21.9)
NetP1_6: P1.6 U6.25 | length 59.1
  Top Layer w0.3: v1(71.9,23) 72.15,22.75 U6.25
  Bottom Layer w0.3: P1.6 28.82,23 v1(71.9,23)
NetP1_7: P1.7 U6.26 | length 58.9
  Top Layer w0.3: v1(71.9,24.2) 72.85,23.25 U6.26
  Bottom Layer w0.3: P1.7@23.7,20.6 23.88,20.6 27.48,24.2 v1(71.9,24.2)
NetP2_1: P2.1 P3.2 | length 5.9
  Top Layer w0.6: P3.2 v1(12.8,5.9)
  Bottom Layer w0.6: P2.1@12.8,2.9 P2.1 v1(12.8,5.9)
NetP3_1: P3.1 Q1.1 Q1.2 Q1.3 R17.2 R18.2 | length 80
  Top Layer w0.3: R17.2@45.5,55.4 45.6,55.3 R18.2@45.6,54 ; Q1.1@45.6,50.2 Q1.1@45.702,50.303
  Top Layer w0.6: P3.1 v1(16.8,23.5) ; Q1.3@43.1,50.3 Q1.2@44.335,50.3 ; Q1.2 Q1.2@44.335,50.3 ; R18.2@45.6,54 45.605,53.995 Q1.1 45.605,50.3 Q1.2@44.335,50.3 ; R17.2 v1(45.6,56.8)
  Bottom Layer w0.6: v1(16.8,23.5) 16.8,36.6 37,56.8 v1(45.6,56.8)
NetP4_2: P4.2 P5.2 U6.46 | length 51.2
  Top Layer w0.3: U6.46 72.25,26.55 73.5,25.3 v1(77,25.3) ; 85.3,10.56 85.3,10.6 ; v1(86.5,13.8) 86.4,13.8 85.41,12.81 85.41,10.71 85.3,10.6 ; P4.2 88.08,7.78 88.08,5.52 v1@88.1,5.5 ; v1(88.1,5.4) 85,5.4 84,6.4 84,9.3 85.3,10.6 ; v1(98.9,6.9) 100.29,6.9 P5.2
  Bottom Layer w0.3: v1(77,25.3) 77,22.393 85.593,13.8 v1(86.5,13.8) ; v1(88.1,5.4) 97.4,5.4 v1(98.9,6.9)
NetP4_3: P4.3 P5.4 U6.49 | length 46.5
  Top Layer w0.3: U6.49 69.7,26.25 70.3,26.85 v1(70.3,27.2) ; P4.3@90.4,7.6 90.8,7.6 94,4.4 P5.4
  Bottom Layer w0.3: v1(70.3,27.2) 73,24.5 73,18.9 73.9,18 79.5,18 81.75,15.75 ; 81.8,15.7 82.8,14.7 82.8,11.3 83.8,10.3 88.1,10.3 P4.3 P4.3@90.6,7.7
NetP6_1: P6.1 U6.42 U7.7 U8.21 | length 87.6
  Top Layer w0.3: U8.21 71.193,37.693 ; 71.2,37.7 71.193,37.693 ; U6.42@74.25,27.7 74.25,27.505 74.855,26.9 v1(77.8,26.9) ; U6.42 74.25,29.75 71.2,32.8 71.2,37.686 71.193,37.693 ; P6.1 106.6,2.7 116,2.7 117.1,3.8 U7.7@117.1,4.9
  Bottom Layer w0.3: v1(77.8,26.9) 77.8,22.3 85.6,14.5 97.5,14.5 103.4,8.6 103.4,5.9 105.1,4.2 P6.1@105.1,4
NetP6_2: P6.2 U6.43 U7.6 U8.20 | length 86.3
  Top Layer w0.3: U8.20@68.3,55.3 68.653,54.947 68.653,34.647 70,33.3 ; 69.996,33.296 73.75,29.543 U6.43 ; U6.43@73.75,28.2 73.75,27.298 74.948,26.1 v1(78.6,26.1) ; P6.2@105.2,6.6 105.3,6.6 108.7,3.2 115.3,3.2 115.9,3.8 115.9,4.795 U7.6
  Bottom Layer w0.3: v1(78.6,26.1) 78.6,22.6 86.2,15 88.3,15 97.707,15 103.9,8.807 103.9,7.94 P6.2
NetP7_1: P7.1 U7.23 | length 16.3
  Top Layer w0.75: U7.23 134.965,12.4 136.875,12.4 ; 136.9,12.4 ccw(c136.9,14.4) 138.9,14.4 138.9,19.13 ; 138.9,19.2 cw(c140.9,19.2) 140.9,21.2 ; 141.1,21.2 P7.1
NetQ1_4: Q1.4 R18.1 T5.3 | length 6.1
  Top Layer w0.3: T5.3@41.5,53.4 41.648,53.252 41.648,50.522 Q1.4 ; T5.3@41.5,53.8 44.3,53.8 R18.1
NetQ1_5: Q1.5 Q1.6 Q1.7 Q1.8 U2.3 | length 6.8
  Top Layer w0.6: Q1.5 41.795,45.4 Q1.6@43.065,45.4 ; Q1.6 Q1.6@43.065,45.4 ; Q1.7@44.3,45.4 Q1.6@43.065,45.4 ; Q1.7 44.335,45.4 Q1.8@45.6,45.4 ; Q1.8 45.605,45.5 U2.3 U2.3@48.5,45.5
NetR3_2: R3.2 U6.30 | length 32
  Top Layer w0.3: U6.30 81.855,25.25 82.305,24.8 85,24.8 90.8,30.6 90.8,41.6 94.8,45.6 R3.2
NetR4_2: R4.2 U6.29 | length 35.8
  Top Layer w0.3: U6.29 81.648,24.75 82.098,24.3 85.207,24.3 91.3,30.393 91.3,41.393 94.107,44.2 100,44.2 101.15,45.35 R4.2@101.2,45.35
NetR7_2: R7.2 U7.14 | length 3.1
  Top Layer w0.3: U7.14@126,4.6 126.05,4.55 R7.2@126.05,1.5
NetR8_2: R8.2 U7.13 | length 3.5
  Top Layer w0.3: R8.2@124.5,1.4 R8.2 124.5,4.535 U7.13
NetR10_1: R10.1 U6.2 | length 11.9
  Top Layer w0.3: R10.1 65.12,9.62 68.6,9.62 69.93,10.95 69.93,13.23 71.75,15.05 U6.2
NetR10_2: R10.2 T3.1 | length 1.8
  Top Layer w0.3: T3.1 63.307,8.387 65.013,8.387 R10.2@65.1,8.3
NetR11_1: R11.1 U6.3 | length 15.4
  Top Layer w0.3: R11.1@65.2,6.2 68,6.2 72.6,10.8 72.6,13.375 72.25,13.725 U6.3
NetR11_2: R11.2 T2.1 | length 1.7
  Top Layer w0.3: T2.1 63.307,4.987 64.9,4.987 R11.2@64.9,5.1
NetR12_1: R12.1 U6.4 | length 20.1
  Top Layer w0.3: R12.1 66.9,2.9 75.1,11.1 75.1,13.15 72.75,15.5 U6.4 U6.4@72.75,16.8
NetR12_2: R12.2 T1.1 | length 1.8
  Top Layer w0.3: T1.1 63.295,1.6 R12.2@65.1,1.6
NetR13_1: R13.1 T1.3 | length 2.1
  Top Layer w0.3: R13.1@59.4,3.3 60.8,3.3 T1.3@61.3,2.8
NetR14_2: R14.2 T2.3 | length 1.8
  Top Layer w0.3: R14.2@59.5,5.9 59.6,6 T2.3
NetR15_1: R15.1 T3.3 | length 2.2
  Top Layer w0.3: R15.1@59.4,8.5 60.6,8.5 T3.3@61.3,9.2
NetR16_1: R16.1 T4.1 | length 4.3
  Top Layer w0.3: T4.1 43.325,59.525 44.35,58.5 R16.1
NetR17_1: R17.1 T4.3 T5.1 | length 5.1
  Top Layer w0.3: T4.3@42.5,58.6 42.525,58.575 T5.1 42.53,55.4 R17.1
NetU4_1: U4.1 U6.35 | length 13.7
  Top Layer w0.3: v1(72.4,33.5) 72.42,33.5 73.557,34.638 U4.1 ; U6.35 77.75,29.35 v1(78.8,30.4)
  Bottom Layer w0.3: v1(72.4,33.5) 72.424,33.5 72.4,33.476 72.4,32 75.1,29.3 77.7,29.3 v1(78.8,30.4)
NetU4_4: U4.4 U6.38 | length 6.2
  Top Layer w0.3: U4.4 74.638,33.542 74.222,33.126 74.222,31.678 76.25,29.65 U6.38@76.25,28.4
NetU4_9: U4.9 U6.39 | length 18.6
  Top Layer w0.3: U6.39 75.75,29.231 71.75,33.231 71.75,36.05 74.2,38.5 76.4,38.5 77.2,37.7 77.2,36.811 U4.9@76.194,35.806
NetU4_12: U4.12 U6.37 | length 15.2
  Top Layer w0.3: U4.12 74.523,36.184 74.523,37.123 v1(74.8,37.4) ; v1(75.1,31.8) 76.75,30.15 U6.37@76.75,28.4
  Bottom Layer w0.3: v1(74.8,37.4) 74.739,37.4 74.239,37.9 73.2,37.9 72.1,36.8 72.1,34.8 v1(75.1,31.8)
NetU4_13: U4.13 U6.34 | length 13.8
  Top Layer w0.3: v1(73.7,37) 73.7,36.3 U4.13 ; U6.34 78.25,28.995 78.455,29.2 79.2,29.2 v1(79.7,29.7)
  Bottom Layer w0.3: v1(73.7,37) 79.7,31 v1(79.7,29.7)
NetU4_14: U4.14 U6.36 | length 10.5
  Top Layer w0.3: v1(72.8,35.9) 72.857,35.843 73.415,35.843 73.895,35.362 U4.14 ; U6.36@77.25,28.6 77.25,30.55 v1(77.3,30.6)
  Bottom Layer w0.3: v1(72.8,35.9) 77.3,31.4 v1(77.3,30.6)
pads on no net: IC1.2 IC1.3 IC1.6 IC1.8 IC1.9 IC1.10 IC1.11 IC1.12 IC1.13 IC1.14 IC1.19 IC1.24 IC1.27 IC1.28 J1.4 J1.None J2. J3. P5.0 P5.6 P5.7 P5.8 P5.9 U4.2 U4.3 U4.10 U4.11 U6.5 U6.6 U6.8 U6.9 U6.20 U6.22 U6.27 U6.28 U6.33 U6.40 U6.41 U6.44 U6.45 U6.50 U6.51 U6.52 U6.53 U6.54 U6.55 U6.56 U6.57 U6.58 U6.59 U6.61 U6.62 U7.2 U7.3 U7.4 U7.5 U7.9 U7.10 U7.15 U7.16 U7.17 U7.18 U7.19 U7.25 U7.29 U7.30 U7.31 U7.35 U7.36 U7.37 U7.38 U7.39 U7.40 U7.42 U7.43 U7.44 U7.45 U7.46 U8.1 U8.2 U8.3 U8.4 U8.5 U8.6 U8.7 U8.8 U8.9 U8.10 U8.11 U8.12 U8.13 U8.14 U8.15 U8.16 U8.18 U8.19

## Polygon pours and split planes (outlines as drawn)
GND on Bottom Layer "BOT_GND" (solid, remove dead copper, pour order 4): 0,70 0,0 150,0 150,25.8 145.4,25.8 145.4,33.7 150,33.7 150,70
GND on Top Layer "TOP_GND" (solid, remove dead copper, pour order 2): 0,70 0,0 150,0 150,25.8 145.4,25.8 145.4,33.7 150,33.7 150,70

## Keep-outs
Keep-Out Layer:
  lines w0.2: 0,0 0,70 150,70 150,52.2 145.4,52.2 145.4,25.75 150,25.75 150,0 0,0

## Silkscreen, mask and mechanical layers (free items; w line width, h text height)
Top Overlay:
  drawing of 8 lines, arcs and shapes, not listed
  text "RX / TX" at 96.6,61.8 h1.52
  text "Controller / Marco Stauber / 20/21" at 12.4,57.5 h1.52
  text "|| UC ||LORA||" at 91,41.2 h1.52
  text "Y|" at 76,37.9 h1.52 r315
  text "3.3V" at 56.2,37.2 h1.52
  text "X|" at 72.1,36.6 h1.52 r45
  text "||RESET||RESET||" at 89.5,26.8 h1.52
  text "RX" at 103.8,8.2 h1.52
  text "SWITCH" at 10.3,5.4 h1.52
  text "VCC / GND / MOSI / CS / DC / RST" at 33.8,4.4 h2
  text "A / B / C" at 51,2.7 h1.52
  text "TX" at 103.8,0.5 h1.52
  text "VCC / DIO / CLK / RST / GND" at 96.6,0.4 h1.52 r90
Bottom Overlay:
  text "BAT" at 17.7,5.5 h2
  text "+" at 10.8,1.9 h2
  text "-" at 20.8,1.8 h2
Mechanical 1:
  lines w0.2: 0,0 0,70 150,70 150,52.2 145.4,52.2 145.4,25.75 150,25.75 150,0 0,0

## Dimensions
0,0 to 1,70 on Mechanical 1

## Text inside footprints (layer, text, board x,y; h text height)
J1: Mechanical 4 "PCB EDGE" at 67.08,70.13 h1 r180